# Altium PCB betrusted_dvt1b-dfm.PcbDoc (part 1 of 6) (continued)
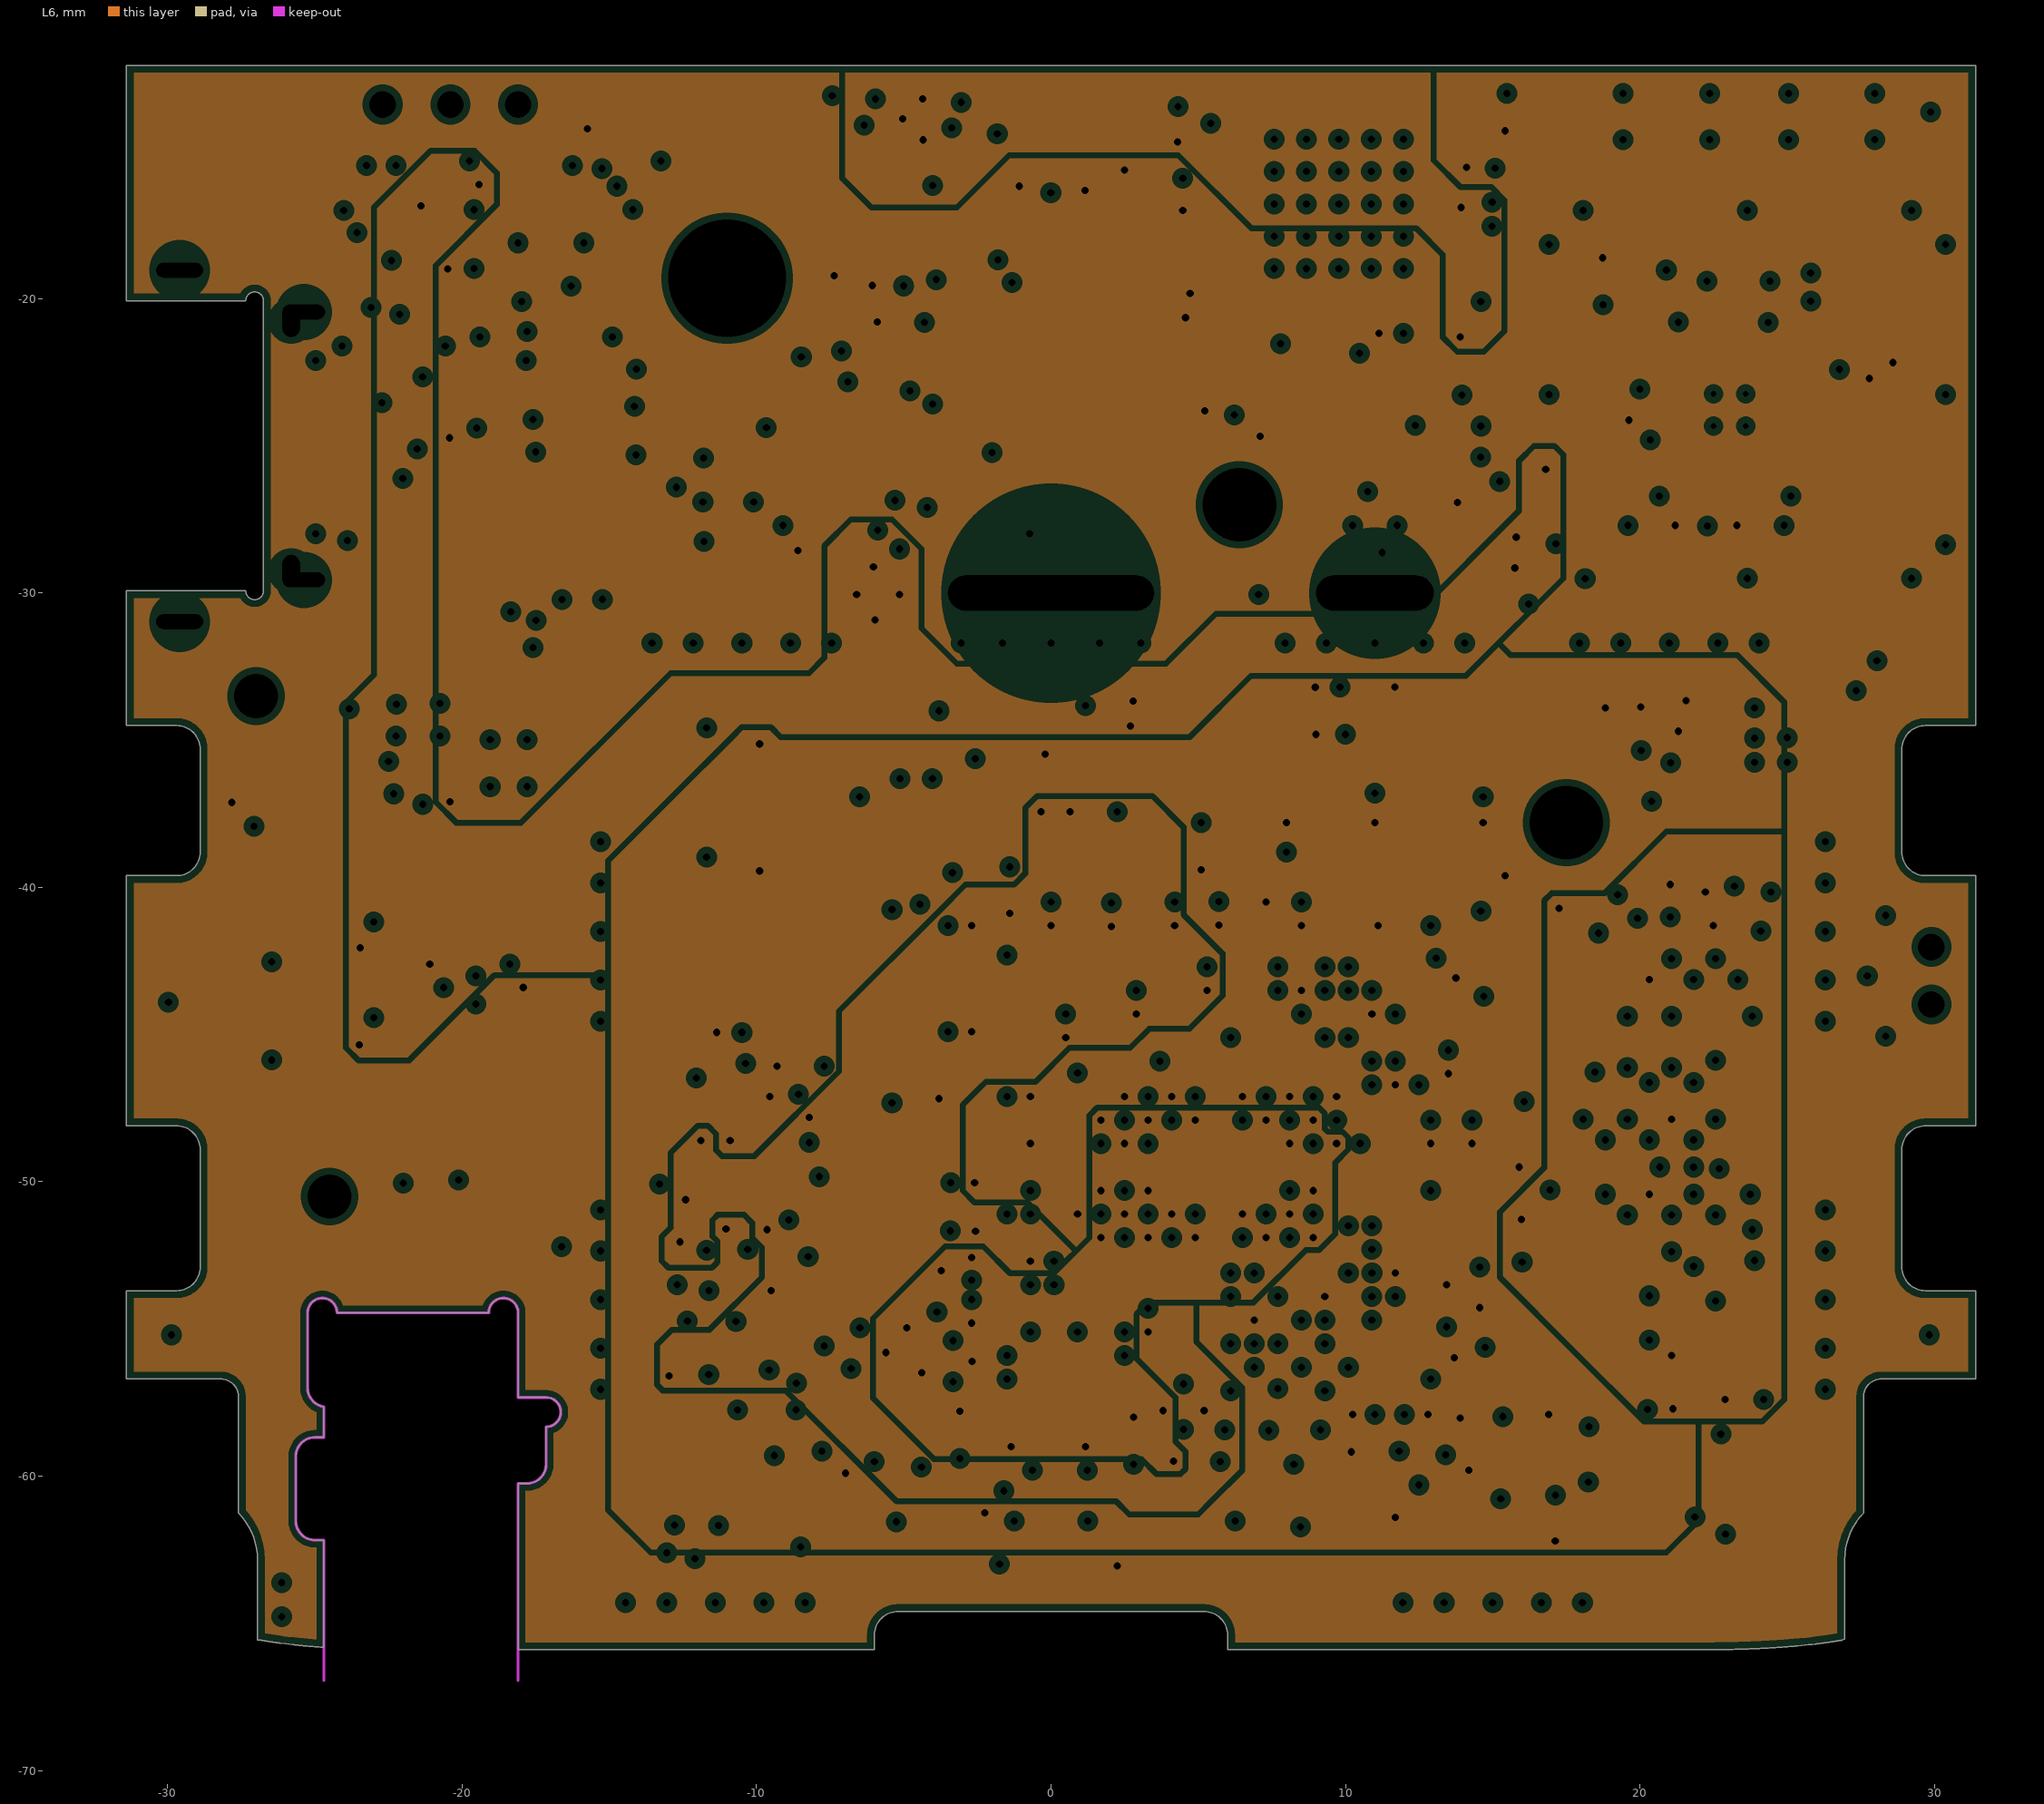
[diagram p4: L6, clearances drawn from the general rule]
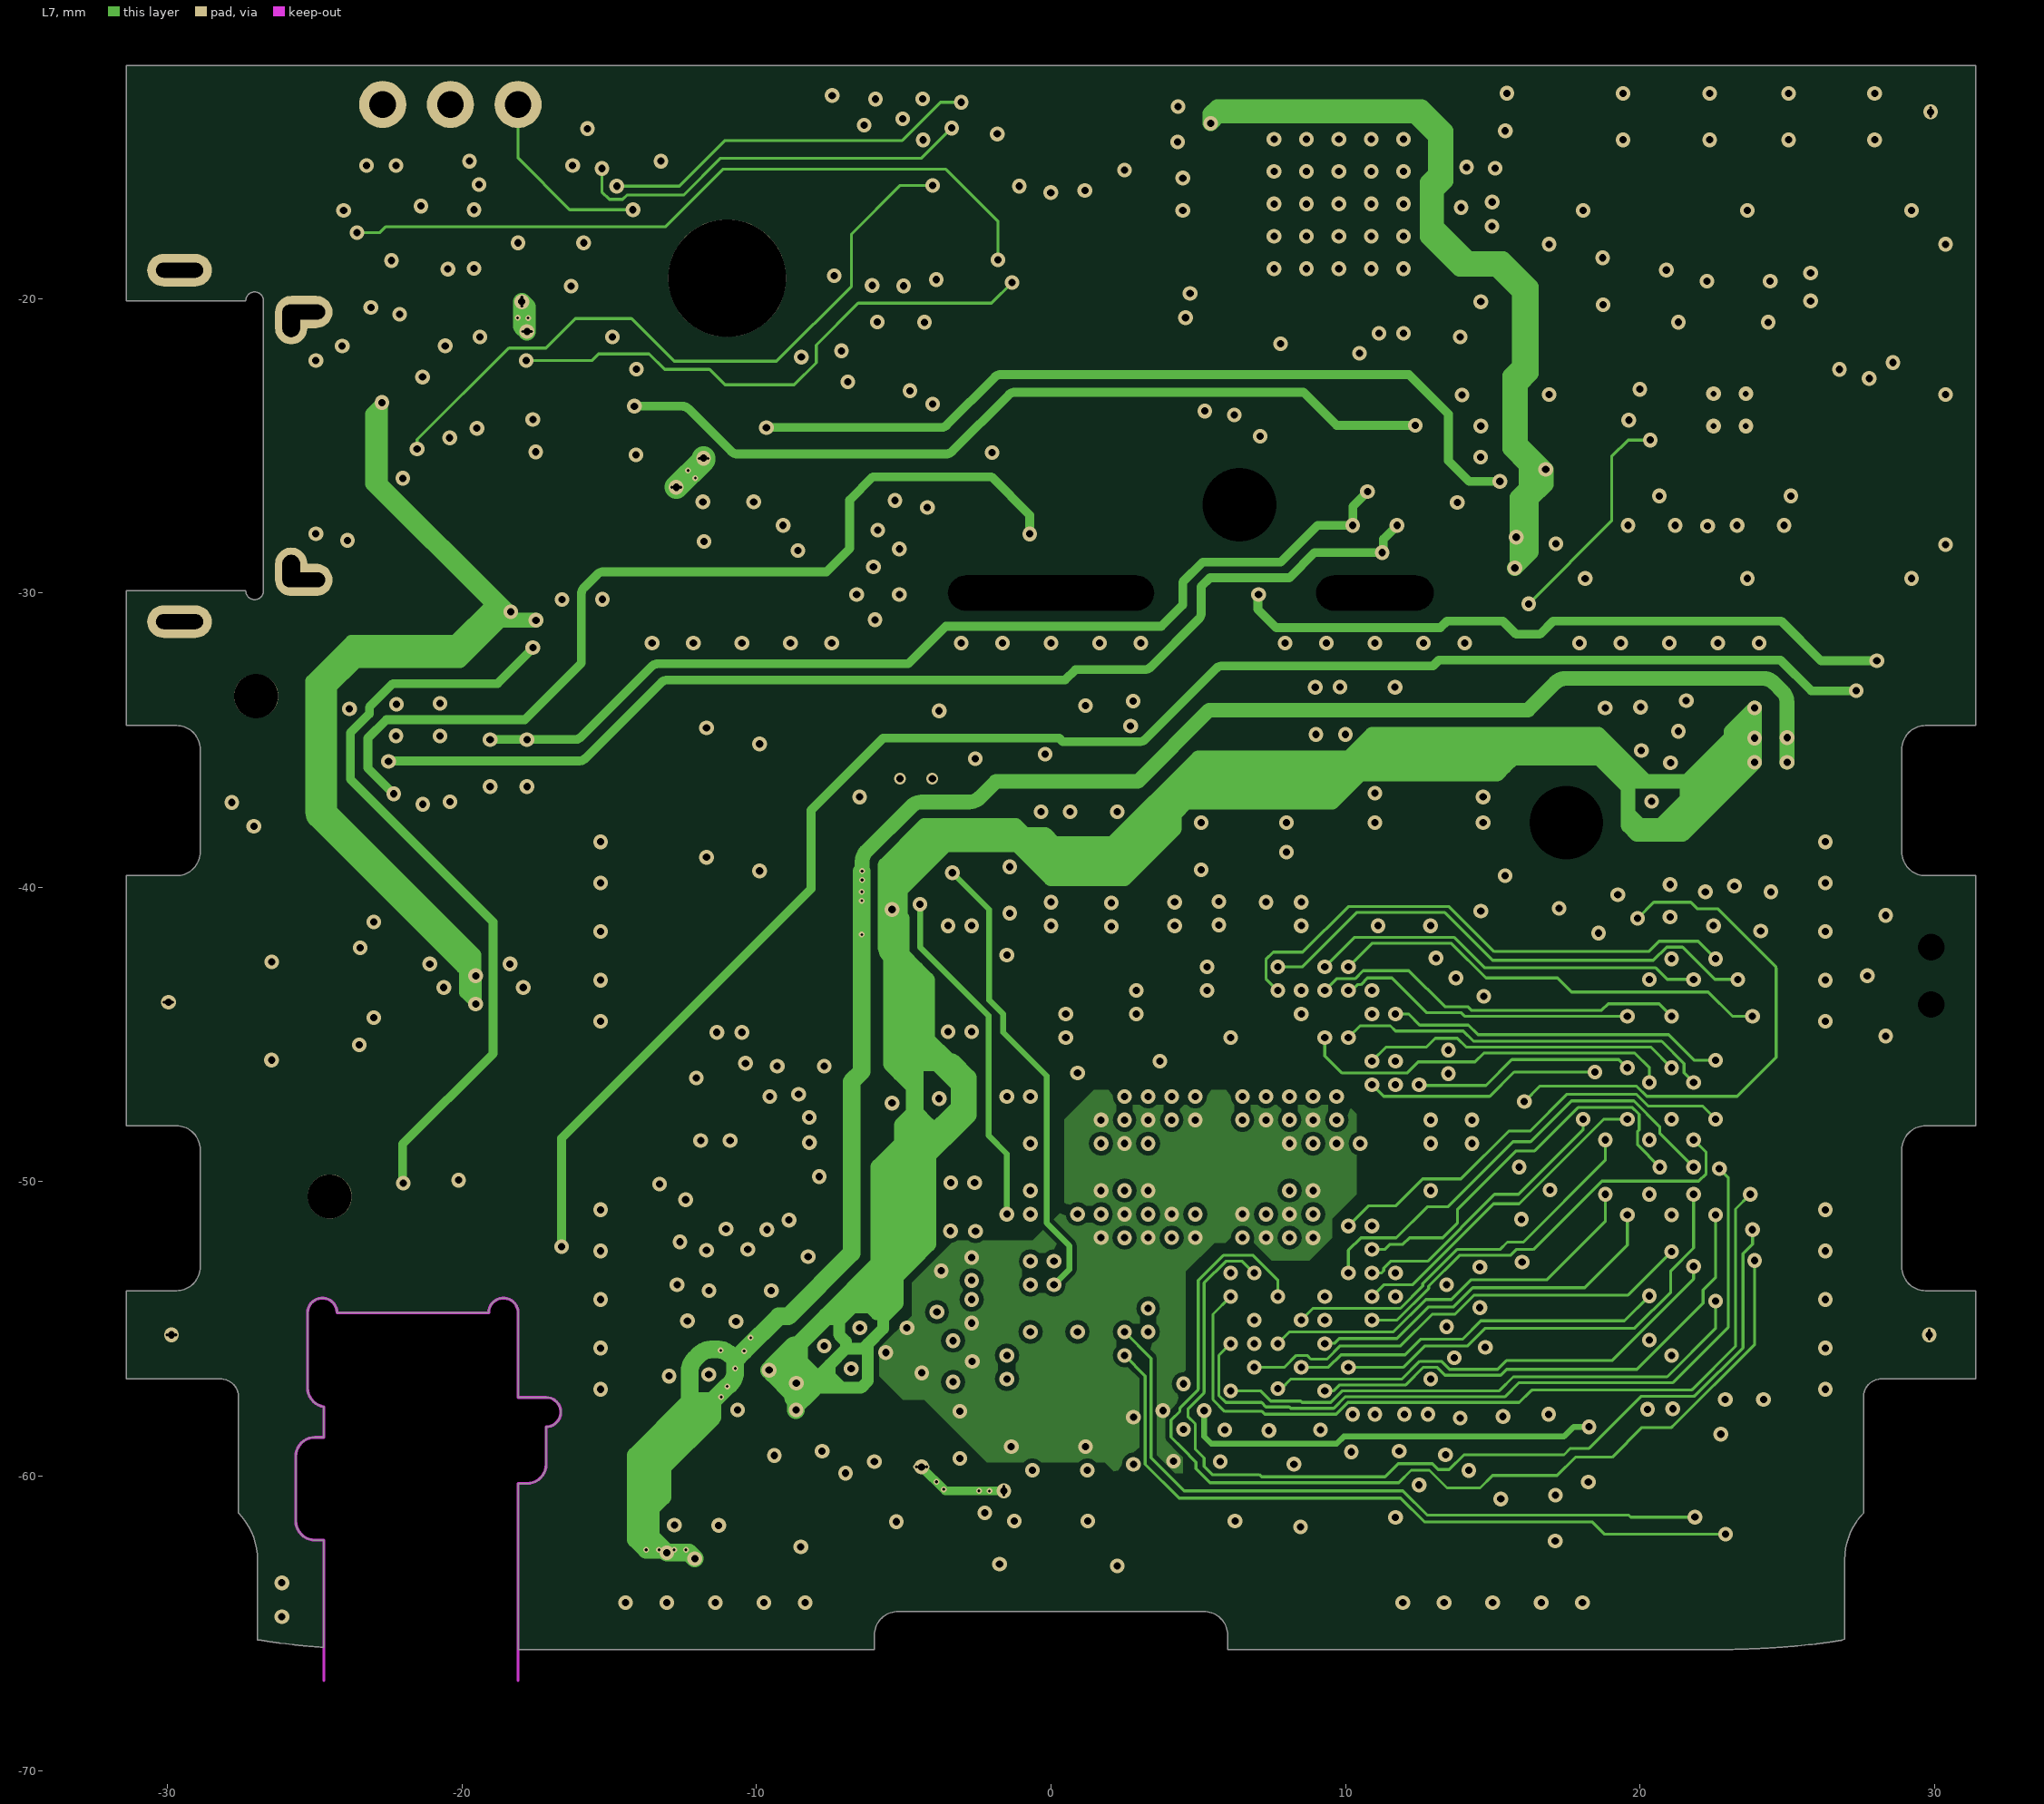
[diagram p5: L7]

## Layer stack, top to bottom
TopSolder: solder mask 0.025, SM-001, Dk 4.2
L1: signal copper 0.036
Dielectric1: prepreg 0.071, PP-006, Dk 3.8
L2: signal copper 0.036
Dielectric 4: prepreg 0.071, PP-006, Dk 3.8
L3: plane copper 0.018, net GND
Dielectric2: core 0.229, Core-027, Dk 4.5
L6: plane copper 0.018, net (Multiple Nets)
Dielectric3: prepreg 0.071, PP-006, Dk 3.8
L7: signal copper 0.036
Dielectric 5: prepreg 0.071, PP-006, Dk 3.8
L8: signal copper 0.036
BottomSolder: solder mask 0.025, SM-001, Dk 4.2

## Board outline
550 vertices, not listed, extent -31.4,-65.9 31.4,-12.07

## Design rules (kind name [scope] priority, off if disabled: settings)
BoardOutlineClearance [(OnLayer('L1') or OnLayer('L2') or OnLayer('L3') or OnLayer('L4') or OnLayer('L5') or OnLayer('L6') or OnLayer('MultiLayer')) and not InComponent('P10U')] p1: gap=0.5 ignorepadtopadclearanceinfootprint=FALSE except(0: Arc-SplitContinuation Track-SplitContinuation SMDPad-SplitContinuation THPad-SplitContinuation Via-SplitContinuation Fill-SplitContinuation Poly-SplitContinuation Region-SplitContinuation Text-SplitContinuation)
Clearance Clearance_laserdrill [(DrillPair = 'L1 - L2') or (DrillPair = 'L5 - L6')] p1: gap=0.1 ignorepadtopadclearanceinfootprint=FALSE except(0: Arc-Hole Track-Hole SMDPad-Hole THPad-Hole Via-Hole Fill-Hole Poly-Hole Region-Hole Text-Hole; 0.115: Arc-Via Track-Via SMDPad-Via THPad-Via Via-Via; 0.15: Arc-Poly Arc-Region Track-Poly Track-Region SMDPad-Poly SMDPad-Region THPad-Poly THPad-Region Via-Poly Via-Region Fill-Poly Fill-Region Poly-Poly Poly-Region Region-Region) // Laser drill via = 6.5 mil min distance to unconnected copper
Clearance Clearance_poly_Z [InPolygon vs InNetClass('B0_SE40') OR InNetClass('B1_SE40') OR InNetClass('B2_SE40') OR InNetClass('B3_SE40') OR InNetClass('SE40') OR InNetClass('SE45_HAX')] p2: gap=0.6 ignorepadtopadclearanceinfootprint=FALSE except(0: Arc-Hole Track-Hole SMDPad-Hole THPad-Hole Via-Hole Fill-Hole Poly-Hole Region-Hole Text-Hole) // polygon to impedance controlled line
Clearance Clearance_poly_diff [InPolygon vs (InDifferentialPairClass('All Differential Pairs'))] p3: gap=0.65 ignorepadtopadclearanceinfootprint=FALSE except(0: Arc-Hole Track-Hole SMDPad-Hole THPad-Hole Via-Hole Fill-Hole Poly-Hole Region-Hole Text-Hole) // Polygon to diff pair rule
Clearance Clearance_NPTH [PadIsPlated = 'False'] p4: gap=0.3 ignorepadtopadclearanceinfootprint=FALSE except(0: Arc-Hole Track-Hole SMDPad-Hole THPad-Hole Via-Hole Fill-Hole Poly-Hole Region-Hole Text-Hole; 0.5: Arc-Fill Arc-Poly Arc-Region Track-Fill Track-Poly Track-Region SMDPad-Fill SMDPad-Poly SMDPad-Region THPad-Fill THPad-Poly THPad-Region Via-Fill Via-Poly Via-Region Fill-Fill Fill-Poly Fill-Region Poly-Poly Poly-Region Region-Region)
Clearance "Basic Clearance" [All] p5: gap=0.1 ignorepadtopadclearanceinfootprint=FALSE except(0: Arc-Hole Track-Hole SMDPad-Hole THPad-Hole Via-Hole Fill-Hole Poly-Hole Region-Hole Text-Hole; 0.08: Arc-Text Track-Text SMDPad-SMDPad SMDPad-Text THPad-Text Via-Text Fill-Text Poly-Text Region-Text Text-Text; 0.15: Arc-Poly Arc-Region Track-Poly Track-Region SMDPad-Poly SMDPad-Region THPad-Poly THPad-Region Via-Poly Via-Region Fill-Poly Fill-Region Poly-Poly Poly-Region Region-Region) // basic clearance rule
ComponentClearance [All] p1 off: gap=0.254 collisioncheckmode=3 verticalgap=0.254 showdistances=FALSE
DiffPairsRouting DiffPairsRouting_90DP [InDifferentialPairClass('All Differential Pairs')] p1: maxlimit=0.127 minlimit=0.127 mostfreqgap=0.127 toplayer_minwidth=0.187 toplayer_maxwidth=0.187 toplayer_prefwidth=0.187 midlayer1_minwidth=0.102 midlayer1_maxwidth=0.102 midlayer1_prefwidth=0.102 midlayer2_minwidth=0.102 midlayer2_maxwidth=0.102 midlayer2_prefwidth=0.102 bottomlayer_minwidth=0.187 bottomlayer_maxwidth=0.187 bottomlayer_prefwidth=0.187 impedanceprofiledriven=TRUE impedanceprofileid={4D827640-E967-41B7-B382-CC480B90AC3E} impedanceprofilevalue=90.000000 maxuncoupledlength=6 // 90 ohm diff pair
FabricationTestPointUsage TestPointUsage [All] p1: valid=0 allowmultiple=FALSE
FabricationTestpoint Testpoint [All] p1: side=3 testpointundercomponent=TRUE minsize=1.016 maxsize=2.54 preferedsize=1.524 minholesize=0.508 maxholesize=1.016 preferedholesize=0.813 testpointgrid=0.025 allowsidetop=TRUE allowsidebottom=TRUE usegrid=TRUE gridtolerance=0
Height Beyond_keyboard_no_LCD [WithinRoom('06_rng')] p2: minheight=0 maxheight=3 prefheight=2.9
Height "Betrusted bottom constraint" [OnBottomLayer] p3: minheight=0 maxheight=0 prefheight=0
Height "Betrusted top constraint" [OnTopLayer] p4: minheight=0 maxheight=1.5 prefheight=1.3
HoleSize [All] p1: absolutevalues=TRUE maxlimit=10 minlimit=0.1 maxpercent=80.000 minpercent=20.000
HoleToHoleClearance HoleToHoleClearance_4 [InDrillLayerPair('L1 - L8') vs InDrillLayerPair('L1 - L8')] p1: gap=0.3 allowstackedmicrovias=TRUE
HoleToHoleClearance HoleToHoleClearance_3 [InDrillLayerPair('L1 - L8') vs InDrillLayerPair('L2 - L7')] p2: gap=0.3 allowstackedmicrovias=TRUE
HoleToHoleClearance HoleToHoleClearance_2 [InDrillLayerPair('[UVIA] L7 - L8') vs InDrillLayerPair('[UVIA] L7 - L8')] p3: gap=0.2 allowstackedmicrovias=TRUE
HoleToHoleClearance HoleToHoleClearance_1 [InDrillLayerPair('[UVIA] L1 - L2') vs InDrillLayerPair('[UVIA] L1 - L2')] p4: gap=0.2 allowstackedmicrovias=TRUE
HoleToHoleClearance [InDrillLayerPair('L2 - L7') vs InDrillLayerPair('L2 - L7')] p5: gap=0.3 allowstackedmicrovias=TRUE
MatchedLengths MatchedLengths_DDR_CLOCKS_STROBES_2 [InxSignalClass('ADDR_PP1') OR InxSignalClass('ADDR_PP2') OR InxSignalClass('DATA_BL0') OR InxSignalClass('DATA_BL1') OR InxSignalClass('DATA_BL2') OR InxSignalClass('DATA_BL3')] p1: tolerance=0.6 checknetsindiffpair=TRUE checkdiffpairvsdiffpair=FALSE checkxsignals=FALSE checkothers=FALSE
MatchedLengths MatchedLengths_DATA_BL3_2 [InxSignalClass('DATA_BL3')] p2: tolerance=10 checknetsindiffpair=FALSE checkdiffpairvsdiffpair=TRUE checkxsignals=TRUE checkothers=TRUE
MatchedLengths MatchedLengths_DATA_BL2_2 [InxSignalClass('DATA_BL2')] p3: tolerance=10 checknetsindiffpair=FALSE checkdiffpairvsdiffpair=TRUE checkxsignals=TRUE checkothers=TRUE
MatchedLengths MatchedLengths_DATA_BL1_2 [InxSignalClass('DATA_BL1')] p4: tolerance=10 checknetsindiffpair=FALSE checkdiffpairvsdiffpair=TRUE checkxsignals=TRUE checkothers=TRUE
MatchedLengths MatchedLengths_DATA_BL0_2 [InxSignalClass('DATA_BL0')] p5: tolerance=10 checknetsindiffpair=FALSE checkdiffpairvsdiffpair=TRUE checkxsignals=TRUE checkothers=TRUE
MatchedLengths MatchedLengths_ADDR_PP2_2 [InxSignalClass('ADDR_PP2')] p6: tolerance=10 checknetsindiffpair=FALSE checkdiffpairvsdiffpair=TRUE checkxsignals=TRUE checkothers=TRUE
MatchedLengths MatchedLengths_ADDR_PP1_2 [InxSignalClass('ADDR_PP1')] p7: tolerance=10 checknetsindiffpair=FALSE checkdiffpairvsdiffpair=TRUE checkxsignals=TRUE checkothers=TRUE
MatchedLengths MatchedLengths_DDR_CLOCKS_STROBES_1 [InxSignalClass('ADDR_PP1_1') OR InxSignalClass('ADDR_PP2_1') OR InxSignalClass('DATA_BL0_1') OR InxSignalClass('DATA_BL1_1') OR InxSignalClass('DATA_BL2_1') OR InxSignalClass('DATA_BL3_1')] p8: tolerance=0.6 checknetsindiffpair=TRUE checkdiffpairvsdiffpair=FALSE checkxsignals=FALSE checkothers=FALSE
MatchedLengths MatchedLengths_DATA_BL3_1 [InxSignalClass('DATA_BL3_1')] p9: tolerance=10 checknetsindiffpair=FALSE checkdiffpairvsdiffpair=TRUE checkxsignals=TRUE checkothers=TRUE
MatchedLengths MatchedLengths_DATA_BL2_1 [InxSignalClass('DATA_BL2_1')] p10: tolerance=10 checknetsindiffpair=FALSE checkdiffpairvsdiffpair=TRUE checkxsignals=TRUE checkothers=TRUE
MatchedLengths MatchedLengths_DATA_BL1_1 [InxSignalClass('DATA_BL1_1')] p11: tolerance=10 checknetsindiffpair=FALSE checkdiffpairvsdiffpair=TRUE checkxsignals=TRUE checkothers=TRUE
MatchedLengths MatchedLengths_DATA_BL0_1 [InxSignalClass('DATA_BL0_1')] p12: tolerance=10 checknetsindiffpair=FALSE checkdiffpairvsdiffpair=TRUE checkxsignals=TRUE checkothers=TRUE
MatchedLengths MatchedLengths_ADDR_PP2_1 [InxSignalClass('ADDR_PP2_1')] p13: tolerance=10 checknetsindiffpair=FALSE checkdiffpairvsdiffpair=TRUE checkxsignals=TRUE checkothers=TRUE
MatchedLengths MatchedLengths_ADDR_PP1_1 [InxSignalClass('ADDR_PP1_1')] p14: tolerance=10 checknetsindiffpair=FALSE checkdiffpairvsdiffpair=TRUE checkxsignals=TRUE checkothers=TRUE
MatchedLengths MatchedLengths_DDR_CLOCKS_STROBES [InxSignalClass('ADDR_PP1') OR InxSignalClass('ADDR_PP2') OR InxSignalClass('DATA_BL0') OR InxSignalClass('DATA_BL1') OR InxSignalClass('DATA_BL2') OR InxSignalClass('DATA_BL3')] p15: tolerance=0.6 checknetsindiffpair=TRUE checkdiffpairvsdiffpair=FALSE checkxsignals=FALSE checkothers=FALSE
MatchedLengths MatchedLengths_DATA_BL3 [InxSignalClass('DATA_BL3')] p16: tolerance=10 checknetsindiffpair=FALSE checkdiffpairvsdiffpair=TRUE checkxsignals=TRUE checkothers=TRUE
MatchedLengths MatchedLengths_DATA_BL2 [InxSignalClass('DATA_BL2')] p17: tolerance=10 checknetsindiffpair=FALSE checkdiffpairvsdiffpair=TRUE checkxsignals=TRUE checkothers=TRUE
MatchedLengths MatchedLengths_DATA_BL1 [InxSignalClass('DATA_BL1')] p18: tolerance=10 checknetsindiffpair=FALSE checkdiffpairvsdiffpair=TRUE checkxsignals=TRUE checkothers=TRUE
MatchedLengths MatchedLengths_DATA_BL0 [InxSignalClass('DATA_BL0')] p19: tolerance=10 checknetsindiffpair=FALSE checkdiffpairvsdiffpair=TRUE checkxsignals=TRUE checkothers=TRUE
MatchedLengths MatchedLengths_ADDR_PP2 [InxSignalClass('ADDR_PP2')] p20: tolerance=10 checknetsindiffpair=FALSE checkdiffpairvsdiffpair=TRUE checkxsignals=TRUE checkothers=TRUE
MatchedLengths MatchedLengths_ADDR_PP1 [InxSignalClass('ADDR_PP1')] p21: tolerance=10 checknetsindiffpair=FALSE checkdiffpairvsdiffpair=TRUE checkxsignals=TRUE checkothers=TRUE
MinimumAnnularRing [All] p1: minimumring=0.05
MinimumSolderMaskSliver [All] p1 off: minsoldermaskwidth=0.07
PlaneClearance PlaneClearance_NPTH [PadIsPlated = 'False'] p1: clearance=0.5
PlaneClearance [All] p2: clearance=0.23
PlaneConnect [All] p1: planeconnectstyle=Direct reliefexpansion=0.508 reliefentries=4 reliefconductorwidth=0.254 reliefairgap=0.254
PolygonConnect [All] p1: connectstyle=Direct reliefconductorwidth=0.25 reliefentries=4 polygonreliefangle="90 Angle" airgapwidth=0.15
RoomDefinition 07_ux [InComponentClass('07_ux')] p1 off: confinementstyle=ConfineIn formatcopy=TRUE lockcomponents=FALSE outline -23.6,-8.1 23.6,-8.1 23.6,0.8 -23.6,0.8
RoomDefinition 06_rng [InComponentClass('06_rng')] p2 off: confinementstyle=ConfineIn formatcopy=TRUE lockcomponents=FALSE outline 32.4,-17 -33,-17 -33,0.8 32.4,0.8
RoomDefinition 05_kbd_pm [InComponentClass('05_kbd_pm')] p3 off: confinementstyle=ConfineIn formatcopy=TRUE lockcomponents=FALSE outline 50.847,-52.747 51.736,-52.747 51.736,-34.713 50.847,-34.713
RoomDefinition 04_io [InComponentClass('04_io')] p4 off: confinementstyle=ConfineIn formatcopy=TRUE lockcomponents=FALSE outline 50.847,-56.074 53.387,-56.074 53.387,-54.017 50.847,-54.017
RoomDefinition 03_power [InComponentClass('03_power')] p5 off: confinementstyle=ConfineIn formatcopy=TRUE lockcomponents=FALSE outline 50.847,-58 44.65,-58 44.65,-58.25 50.847,-58.25
RoomDefinition 02_memory [InComponentClass('02_memory')] p6 off: confinementstyle=ConfineIn formatcopy=TRUE lockcomponents=FALSE outline 32.47,-56.75 31.15,-56.75 31.15,-57.75 32.47,-57.75
RoomDefinition 01_fpga [InComponentClass('01_fpga')] p7 off: confinementstyle=ConfineIn formatcopy=TRUE lockcomponents=FALSE outline 31.15,-60.5 37.16,-60.5 37.16,-59 31.15,-59
RoutingTopology RoutingTopology_DDRAddressAndControls [InNetClass('DDR_AddressAndControls')] p1: topology=Daisy_Simple
RoutingTopology [All] p2: topology=Shortest
RoutingVias RoutingVias_1_2 [InDrillLayerPair('L1 - L2')] p1: holewidth=0.1 width=0.2 viastyle="Through Hole" minholewidth=0.1 minwidth=0.2 maxholewidth=0.1 maxwidth=0.2
RoutingVias RoutingVias_5_6 [InDrillLayerPair('L5 - L6')] p2: holewidth=0.1 width=0.2 viastyle="Through Hole" minholewidth=0.1 minwidth=0.2 maxholewidth=0.1 maxwidth=0.2
RoutingVias RoutingVias_1_6 [InDrillLayerPair('L1 - L6')] p3: holewidth=0.25 width=0.5 viastyle="Through Hole" minholewidth=0.2 minwidth=0.45 maxholewidth=0.35 maxwidth=0.7
RoutingVias RoutingVias_2_5 [InDrillLayerPair('L2 - L5')] p4: holewidth=0.25 width=0.5 viastyle="Through Hole" minholewidth=0.2 minwidth=0.45 maxholewidth=0.35 maxwidth=0.7
ShortCircuit ShortCircuit_mounting [InComponent('P10X') or InComponent('P11X') vs OnLayer('KeepOutLayer')] p1: allowed=TRUE
ShortCircuit [All] p2: allowed=FALSE
SilkToSilkClearance [All] p1 off: silktosilkclearance=0.254
SilkToSolderMaskClearance SilkscreenOverComponentPads [IsPad] p1 off: minsilkscreentomaskgap=0.254 clearancetoexposedcopper=TRUE
SolderMaskExpansion [All] p1: expansion=0.07 istentingtop=FALSE
SupplyNets SupplyNets_3 [InNet('VTT')] p1: voltage=750.0m
SupplyNets SupplyNets_2 [InNet('P1.5V_IO')] p2: voltage=1.500
SupplyNets SupplyNets_1 [InNet('P1.5V_D')] p3: voltage=1.500
SupplyNets [InNet('P1.5V')] p4: voltage=1.500
Width Width_50SE [InNetClass('SE_50')] p1: maxlimit=0.299 minlimit=0.03 preferedwidth=0.254 toplayer_minwidth=0.243 midlayer1_maxwidth=0.118 midlayer1_prefwidth=0.098 midlayer2_maxwidth=0.118 midlayer2_prefwidth=0.098 bottomlayer_minwidth=0.243 impedanceprofiledriven=TRUE impedanceprofileid={C8DD8BD0-35D9-45C6-8E51-CA803D6D5C60} impedanceprofilevalue=50.000000 minimp=50.000000 maximp=50.000000 favimp=50.000000
Width Width_45SE [InNetClass('SE45_HAX')] p2: maxlimit=2 minlimit=0.1 preferedwidth=0.22 midlayer1_prefwidth=0.104 midlayer2_prefwidth=0.104 minimp=50.000000 maximp=50.000000 favimp=50.000000 // 45 ohm SE rule
Width Width_40SE [(InNetClass('B0_SE40') OR InNetClass('B1_SE40') OR InNetClass('B2_SE40') OR InNetClass('B3_SE40') OR InNetClass('SE40'))] p3: maxlimit=2 minlimit=0.1 preferedwidth=0.24 midlayer1_prefwidth=0.11 midlayer2_prefwidth=0.11 minimp=50.000000 maximp=50.000000 favimp=50.000000 // 40 ohm SE lines
Width Width_basic [All] p4: maxlimit=2 minlimit=0.1 preferedwidth=0.1
17 further rules are at their usual default settings.

## Classes and differential pairs
net class DP_90: USB_N USB_P USBC_N USBC_P
net class SE_50: WIFI_RF1 WIFI_RF1L WIFI_RF2 WIFI_RF2L
component class 07_ux: C10U C11U C12U C14U C15U C16U C18U C19U C21U C22U C23U C24U C26U C27U C28U C29U C30U C31U C32U C33U C34U C35U C36U C37U C38U D10U D11U D12U J10U L10U L11U M10U NT10U P10U Q10U Q11U Q12U R10U R11U R12U R13U R14U R18U R26U R27U U10U U11U
component class 06_rng: C10R C11R C12R C13R C14R C15R C16R C17R C18R D10R D11R J10R L10R R10R R11R R12R R13R R14R R15R R16R R17R R18R R19R R20R U10R U11R U12R
component class 05_kbd_pm: C10K C11K C12K C13K C14K C15K C16K C17K C18K C19K C20K C21K C22K C23K C24K C25K C26K C27K J10K L10K P10K Q10K R10K R11K R12K R13K R14K R15K R16K R17K R18K R19K R20K R21K R22K R23K R24K SW10K U10K U11K U12K U13K U14K U15K U16K
component class 04_io: C10W C11W C12W C13W C14W C15W C16W C17W C18W C19W C20W C21W C22W C23W C24W C25W C26W C27W C28W C29W C30W C31W C32W C33W D10W D11W D12W D13W D14W D15W D16W J10W L10W L11W L12W L13W L14W NT10W P10W P11W P13W R10W R11W R12W R14W R15W R16W U10W U11W U12W U14W Y10W
component class 03_power: C10P C12P C19P C20P C21P C22P C23P C24P C25P C26P C27P C28P C29P C30P C31P C32P C33P C34P C35P C36P C37P D10P D11P D12P J11P J12P J13P J14P J15P J16P L11P L12P L13P L14P P10P Q10P Q11P Q12P Q13P R11P R12P R14P R15P R18P R19P R20P R21P R22P R23P R24P R25P R26P R27P R28P R29P R30P R31P R32P R33P R34P R35P R36P R37P R38P R39P R40P R41P T-SHIELD1 T-SHIELD2 T-SHIELD3 T-SHIELD4 T-SHIELD5 T-SHIELD6 T-SHIELD7 T-SHIELD8 T-SHIELD9 T-SHIELD10 TP10P TP11P TP12P TP13P TP14P TP15P TP16P TP17P U11P U12P U13P U14P U15P U16P U17P W-SHIELD
component class 02_memory: C10M C11M C12M C13M C14M C15M C16M C17M C18M C19M C20M J10M J11M J12M J13M J14M J15M J16M J17M L10M R10M R11M R12M R13M R14M U10M U11M U12M U13M
component class 01_fpga: C10F C11F C12F C13F C14F C15F C16F C17F C18F C19F C20F C21F C22F C23F C24F C25F C26F C27F C28F C29F C30F C31F C32F C33F C34F C35F C36F C37F C38F C39F C40F C41F C42F C43F C44F C45F C46F C47F C48F C49F C50F C51F C52F C53F C54F C55F C56F C57F C58F C59F C60F C61F C62F C63F C64F C65F C66F C67F C68F C71F C72F C73F C74F J10F J11F J12F J13F J14F L10F L11F L12F L13F P11F P12F Q10F Q11F Q12F Q13F Q14F Q15F R10F R11F R12F R13F R14F R15F R16F R17F R18F R19F R20F R21F R22F R23F R24F R25F R26F R27F R28F R29F R30F R31F R32F R33F R34F R35F U10F U11F U12F U13F U14F U15F U16F U17F U18F
differential pair USB: +USB_P -USB_N
differential pair USBC: +USBC_P -USBC_N
